# KiCad board M17_3310.kicad_pcb
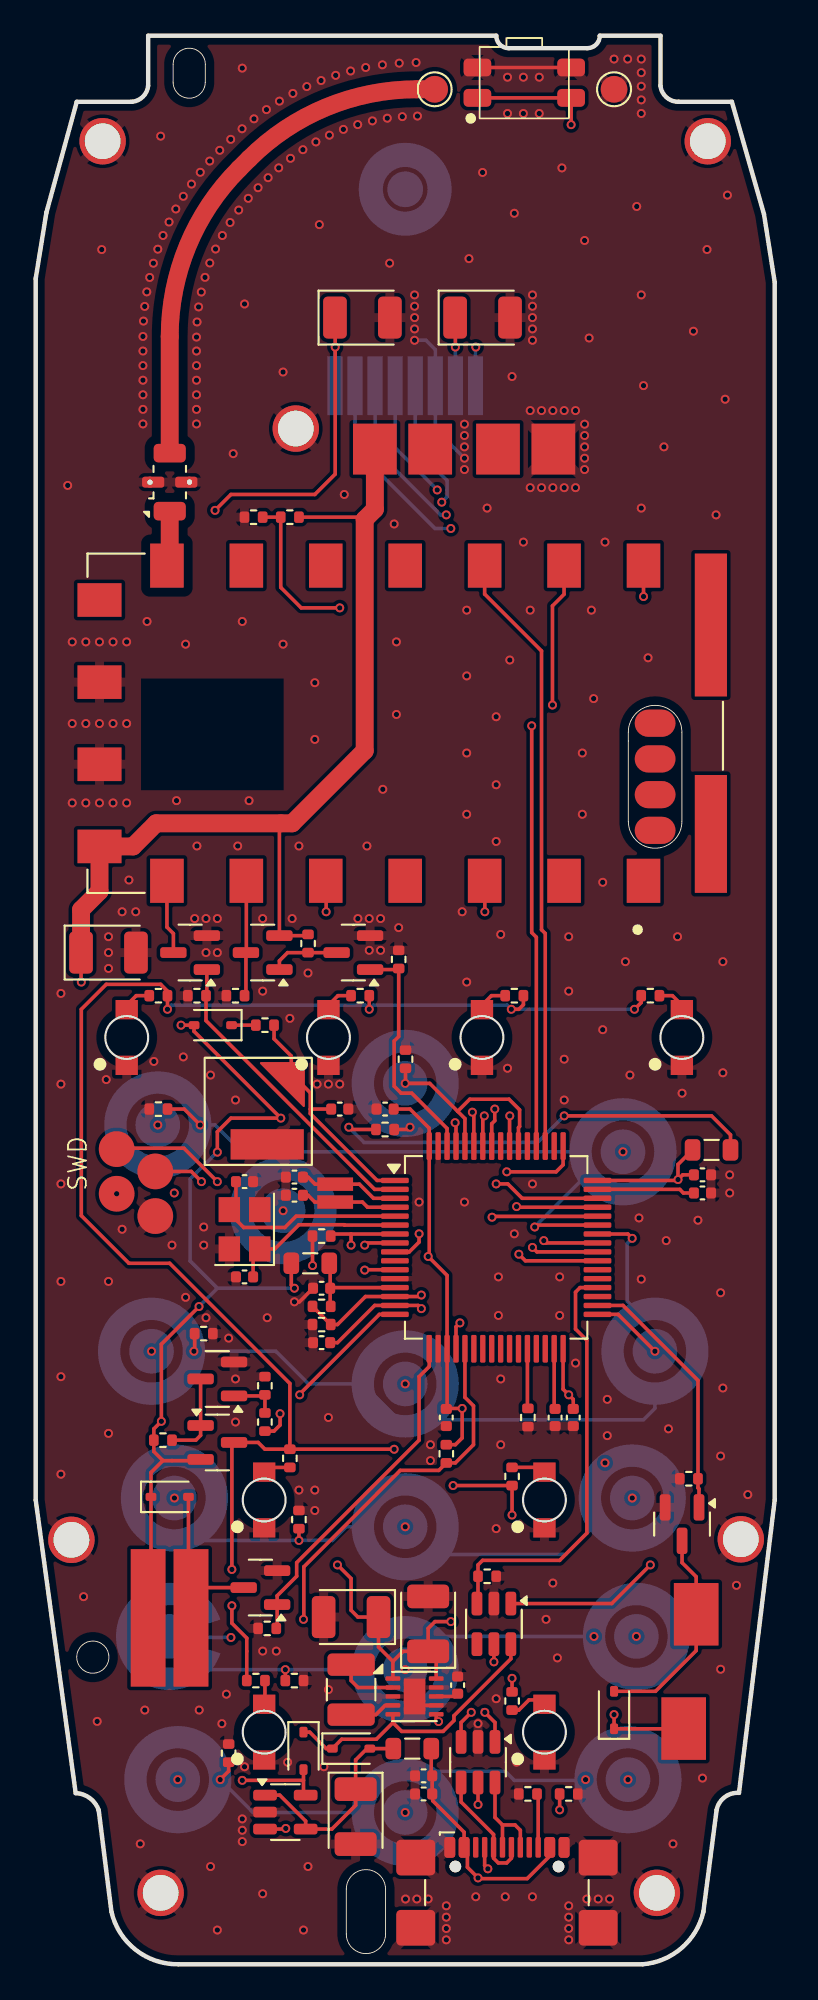
[diagram p0: board, top side]
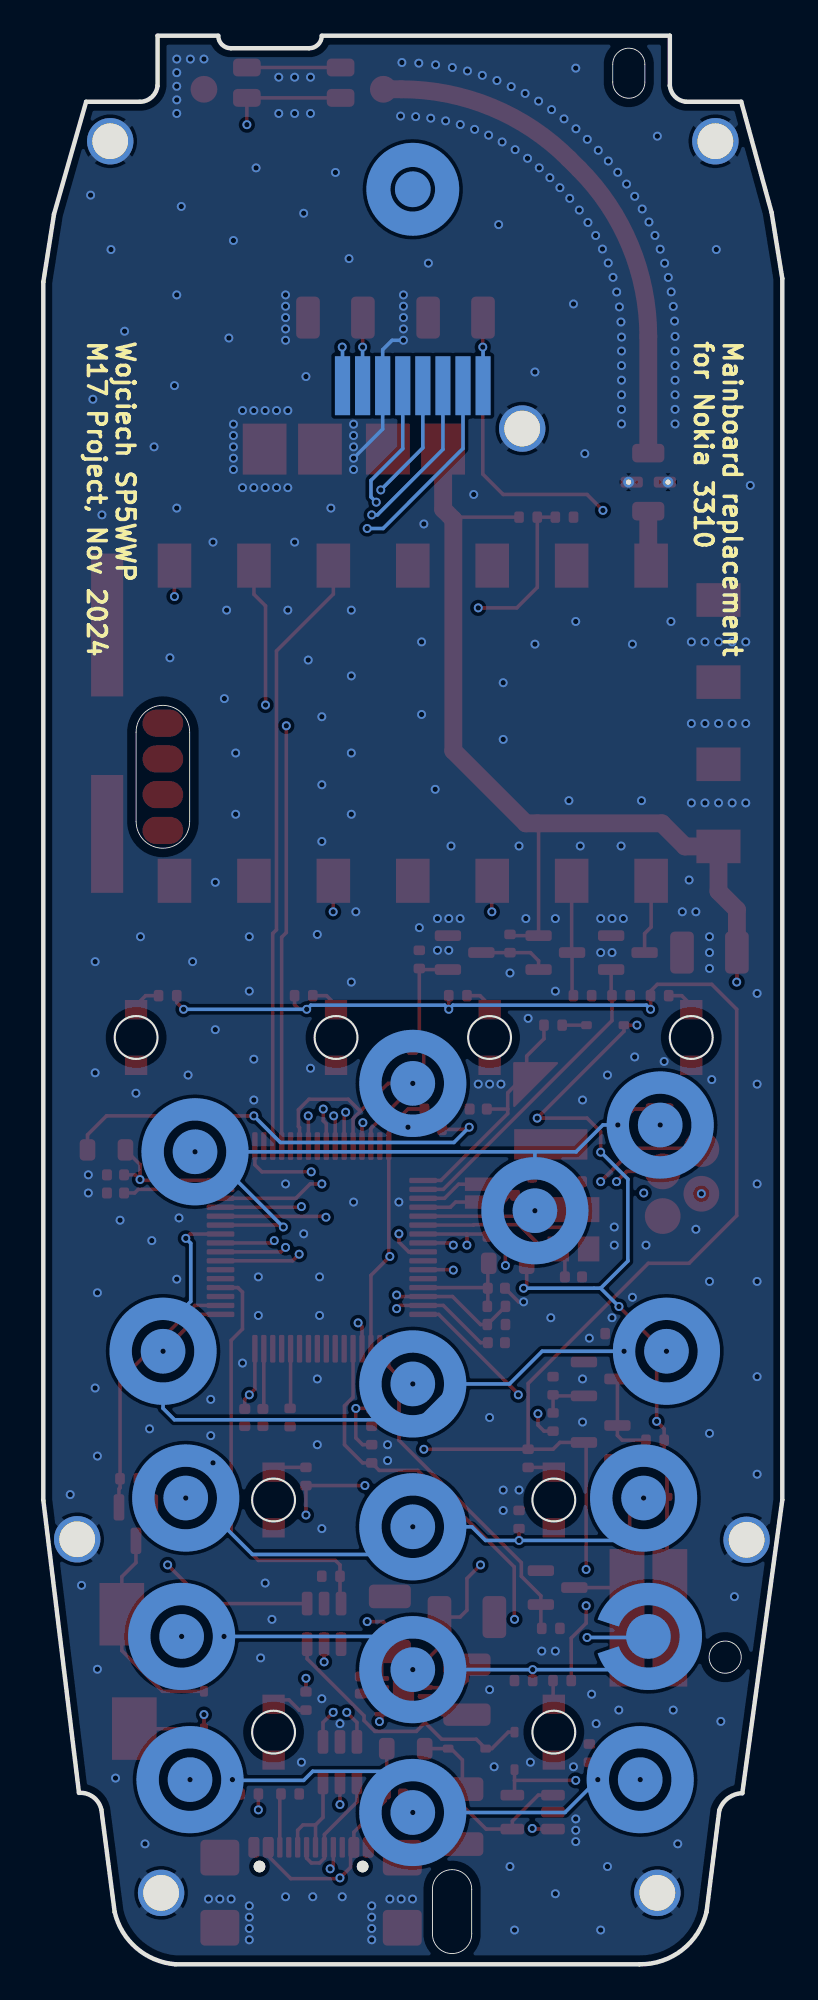
[diagram p1: board, bottom side, seen from below]

Outline 41.4 x 108 mm; copper layers: Top, In1.Cu, In2.Cu, Bottom. Coordinates in mm from the lower left corner of the outline.
Outline path: circle c3.2,17.2 r0.9 ; 0,94.4 0.6,98.1 2.3,104.3 5.4,104.3 arc(6.01,104.59) 6.3,105.2 6.3,108 25.8,108 arc(26.01,107.51) 26.5,107.3 30.9,107.3 arc(31.39,107.51) 31.6,108 35,108 35,105.2 arc(35.33,104.56) 36,104.3 39,104.3 40.8,98 41.4,94.2 41.4,26 39.4,9.6 arc(38.59,9.36) 38.15,8.65 37.4,2.93 arc(36.18,0.91) 34,0 8,0 arc(5.6,0.81) 4.24,2.94 3.53,8.62 arc(3.04,9.31) 2.24,9.58 0,26 0,94.4 ; 7.7,106.4 7.7,105.4 arc(8.6,104.5) 9.5,105.4 9.5,106.4 arc(8.6,107.3) 7.7,106.4 ; 17.4,4.2 17.4,1.7 arc(18.5,0.6) 19.6,1.7 19.6,4.2 arc(18.5,5.3) 17.4,4.2 ; 33.2,69 arc(34.7,70.5) 36.2,69 36.2,64 arc(34.7,62.5) 33.2,64 33.2,69
Stack: Top 0.035mm / dielectric 0.196mm FR4 er 4.5 / In1.Cu 0.035mm / dielectric 0.43mm FR4 er 4.5 / In2.Cu 0.035mm / dielectric 0.196mm FR4 er 4.5 / Bottom 0.035mm

## Placement (name value [footprint] x y rotation side)
BT1  ML414H-IV01E  [ML414H]  12.97 47.77 0 top
C1  6p8  [C_0402_1005Metric]  11.7 38.49 180 top
C2  6p8  [C_0402_1005Metric]  11.7 43.83 0 top
C3  2u2  [C_0402_1005Metric]  29.1 30.62 90 top
C4  2u2  [C_0402_1005Metric]  37.35 43.19 180 top
C5  100n  [C_0402_1005Metric]  17.03 47.89 180 top
C6  100n  [C_0402_1005Metric]  16.02 37.86 0 top
C7  100n  [C_0402_1005Metric]  23 30.62 270 top
C8  100n  [C_0402_1005Metric]  30.11 30.62 270 top
C9  100n  [C_0402_1005Metric]  37.35 44.21 0 top
C10  100n  [C_0402_1005Metric]  19.57 47.89 180 top
C11  47uF/10V  [CP_EIA-3528-21_Kemet-B]  4.08 56.66 0 top
C12  100n  [C_0402_1005Metric]  16.02 34.81 0 top
C13  100n  [C_0402_1005Metric]  23.64 15.63 270 top
C14  10uF/10V  [CP_EIA-3528-21_Kemet-B]  21.99 19.06 90 top
C15  10uF/10V  [CP_EIA-3528-21_Kemet-B]  17.67 19.44 180 top
C16  10uF/10V  [CP_EIA-3528-21_Kemet-B]  25.03 92.22 0 top
C17  47uF/10V  [CP_EIA-3528-21_Kemet-B]  18.3 92.22 0 top
C18  47uF/10V  [CP_EIA-3528-21_Kemet-B]  17.92 8.27 270 top
C19  100n  [C_0402_1005Metric]  21.73 10.55 180 top
C20  10n  [C_0402_1005Metric]  21.73 9.54 180 top
C21  20p  [C_0402_1005Metric]  14.49 44.08 180 top
C22  20p  [C_0402_1005Metric]  14.49 43.07 0 top
D1  BAT60A  [D_SOD-323]  17.67 12.08 0 top
D2  BAT60A  [D_SOD-323]  15 11.95 270 top
D3  BAT60A  [D_SOD-323]  9.92 52.59 180 top
D4  BAT60A  [D_SOD-323]  7.51 26.17 0 top
D5  RED  [3310_led]  5.1 51.9 90 top
D6  RED  [3310_led]  16.4 51.9 90 top
D7  RED  [3310_led]  25 51.9 90 top
D8  BAT60A  [D_SOD-323]  32.4 14.24 90 top
D9  RED  [3310_led]  36.2 51.9 90 top
D10  RED  [3310_led]  12.8 26 90 top
D11  RED  [3310_led]  28.5 26 90 top
D12  RED  [3310_led]  12.8 13 90 top
D13  RED  [3310_led]  28.5 13 90 top
FB1  Bead  [L_0805_2012Metric]  15.38 39.26 180 top
FB2  Bead  [L_0805_2012Metric]  37.86 45.61 180 top
FB3  Bead  [L_0805_2012Metric]  21.1 12.08 0 top
FL1  LFCN-490+  [Filter_Mini-Circuits_FV1206]  7.51 83 90 top
H1  ~  [2mm_mounting_hole_sig]  7 4 0 top
H2  ~  [2mm_mounting_hole_sig]  34.8 4 0 top
H3  ~  [2mm_mounting_hole_sig]  2 23.77 0 top
H4  ~  [2mm_mounting_hole_sig]  39.5 23.8 0 top
H5  ~  [2mm_mounting_hole_sig]  14.57 86 0 top
H6  ~  [2mm_mounting_hole_sig]  3.75 102.09 0 top
H7  ~  [2mm_mounting_hole_sig]  37.65 102.09 0 top
J1  SWD_DBG  [3310_4_pin]  4.53 45.65 270 top
J2  ANT_A  [TestPoint_Pad_D1.5mm]  22.35 105 0 top
J3  ANT_B  [TestPoint_Pad_D1.5mm]  32.4 105 0 top
J4  Battery  [3310_batt]  24 84.85 0 top
J5  Vibrator  [3310_vibrator]  7.5 19.4 0 top
J6  Buzzer  [3310_buzzer]  36.65 16.4 0 top
J7  Display  [3310_display]  20.7 88.4 180 bottom
J8  USB C  [USB_C_Receptacle_GCT_USB4110]  26.4 2.87 0 top
L1  1u5  [L_1210_3225Metric]  17.67 15.38 90 top
LS1  ~  [3310_speaker]  20.7 99.4 180 bottom
Q1  BSS138  [SOT-23]  8.65 56.66 180 top
Q2  IRLML6401  [SOT-23]  12.72 56.66 180 top
Q3  BSS138  [SOT-23]  17.79 56.66 180 top
Q4  BSS138  [SOT-23]  12.59 21.09 180 top
Q5  BSS138  [SOT-23]  10.18 32.78 180 top
Q6  IRLML6401  [SOT-23]  10.18 29.22 0 top
Q7  BSS138  [SOT-23]  36.21 24.65 270 top
R1  22k  [R_0402_1005Metric]  20.72 50.69 90 top
R2  2k2  [R_0402_1005Metric]  16.02 40.78 0 top
R3  47k  [R_0402_1005Metric]  16.02 36.84 0 top
R4  47k  [R_0402_1005Metric]  16.02 35.83 0 top
R5  10k  [R_0402_1005Metric]  23 28.59 270 top
R6  22k  [R_0402_1005Metric]  27.57 30.62 90 top
R7  100k  [R_0402_1005Metric]  9.03 54.24 0 top
R8  100k  [R_0402_1005Metric]  15.25 57.16 90 top
R9  47k  [R_0402_1005Metric]  11.19 54.24 0 top
R10  100k  [R_0402_1005Metric]  20.34 56.27 270 top
R11  47k  [R_0402_1005Metric]  14.24 81.04 0 top
R12  47k  [R_0402_1005Metric]  12.21 81.04 0 top
R13  100k  [R_0402_1005Metric]  25.29 21.73 180 top
R14  1k  [R_0402_1005Metric]  12.84 52.59 180 top
R15  100k  [R_0402_1005Metric]  12.97 18.81 0 top
R16  56R  [R_0402_1005Metric]  12.84 30.37 90 top
R17  100k  [R_0402_1005Metric]  12.84 32.4 270 top
R18  47k  [R_0402_1005Metric]  7.13 29.35 180 top
R19  56R  [R_0402_1005Metric]  6.87 54.24 180 top
R20  100k  [R_0402_1005Metric]  36.59 27.19 0 top
R21  56R  [R_0402_1005Metric]  18.18 54.24 180 top
R22  56R  [R_0402_1005Metric]  26.81 54.24 180 top
R23  56R  [R_0402_1005Metric]  34.43 54.24 0 top
R24  56R  [R_0402_1005Metric]  14.24 28.33 270 top
R25  56R  [R_0402_1005Metric]  26.69 27.32 90 top
R26  56R  [R_0402_1005Metric]  12.33 15.89 0 top
R27  56R  [R_0402_1005Metric]  26.69 14.75 270 top
R28  1k  [R_0402_1005Metric]  19.57 46.75 180 top
R29  5k1  [R_0402_1005Metric]  29.86 9.54 0 top
R30  5k1  [R_0402_1005Metric]  27.57 9.54 180 top
R31  47k  [R_0402_1005Metric]  6.87 47.89 0 top
R32  47k  [R_0402_1005Metric]  9.41 35.32 180 top
R33  47k  [R_0402_1005Metric]  14.75 24.91 270 top
R34  47k  [R_0402_1005Metric]  14.49 15.89 180 top
R35  47k  [R_0402_1005Metric]  10.81 11.82 270 top
SW1  POWER ON/OFF  [SIDE PUSH 2.2NF 4.7x3.2x1.65mm]  27.37 105.37 180 top
SW2  "OK"  [3310_key]  20.7 49.33 180 bottom
SW3  ~  [3310_key]  32.9 45.5 180 bottom
SW4  ~  [3310_key]  34.69 34.33 270 bottom
SW5  ~  [3310_key]  33.42 26.11 180 bottom
SW6  ~  [3310_key]  33.65 18.36 180 bottom
SW7  ~  [3310_key]  33.18 10.34 180 bottom
SW8  ~  [3310_key]  13.86 42.2 90 bottom
SW9  ~  [3310_key]  20.7 32.5 180 bottom
SW10  ~  [3310_key]  20.7 24.5 180 bottom
SW11  ~  [3310_key]  20.7 16.5 180 bottom
SW12  ~  [3310_key]  20.7 8.5 180 bottom
SW13  ~  [3310_key]  6.84 47 0 bottom
SW14  ~  [3310_key]  6.49 34.33 0 bottom
SW15  ~  [3310_key]  7.77 26.11 270 bottom
SW16  ~  [3310_key_gap]  7.5 18.36 180 bottom
SW17  ~  [3310_key]  7.96 10.34 0 bottom
U1  STM32F405RGTx  [LQFP-64_10x10mm_P0.5mm]  25.8 40.14 0 top
U2  SA868  [SA868-VER1.1]  20.7 69.5 180 top
U3  MAX1555  [TSOT-23-5]  13.99 8.52 0 top
U4  MAX16054  [TSOT-23-6]  25.67 19.06 270 top
U5  TPS63031DSK  [WSON-10-1EP_2.5x2.5mm_P0.5mm_EP1.2x2mm]  21.22 15 0 top
U6  USBLC6-2SC6  [SOT-23-6]  24.78 11.32 270 top
Y1  8MHz  [Crystal_SMD_3225-4Pin_3.2x2.5mm]  11.7 41.16 90 top
Y2  32.768kHz  [xtal_smd_32k]  16.78 43.19 0 top

## Library data of the parts
BT1 = -: Description: Single-cell battery
C1 C2 = -: Description: Unpolarized capacitor; PN: 710-885012005039; MPN: 710-885012005039; ki_fp_filters: C_*
C3 C4 = -: Description: Unpolarized capacitor; PN: 963-LMK105BJ225MV-F; MPN: 963-LMK105BJ225MV-F; ki_fp_filters: C_*
C5-C10 C12 C13 C19 = -: Description: Unpolarized capacitor; MPN: 810-CGA2B3X7R1H104KB; PN: 810-CGA2B3X7R1H104KB; ki_fp_filters: C_*
C11 C17 C18 = -: Description: Polarized capacitor; PN: 74-293D476X9010B2TE3; MPN: 74-293D476X9010B2TE3; ki_fp_filters: CP_*
C14-C16 = -: Description: Polarized capacitor; PN: 581-TAJB106K010SNJ; MPN: 581-TAJB106K010SNJ; ki_fp_filters: CP_*
C20 = -: Description: Unpolarized capacitor; PN: 77-VJ0402Y103KCAAC; MPN: 77-VJ0402Y103KCAAC; ki_fp_filters: C_*
C21 C22 = -: Description: Unpolarized capacitor; PN: 81-GCM1555C1H200GA6D; MPN: 81-GCM1555C1H200GA6D; ki_fp_filters: C_*
D1 D3 D4 D8 = -: Datasheet: https://www.infineon.com/dgdl/Infineon-BAT60ASERIES-DS-v01_01-en.pdf?fileId=db3a304313d846880113def70c9304a9; Description: 10V 3A High Current Recitifier Schottky Diode, SOD-323; PN: 726-BAT60AE6327HTSA1; MPN: 726-BAT60AE6327HTSA1; ki_fp_filters: D*SOD?323*
D2 = -: Datasheet: https://www.infineon.com/dgdl/Infineon-BAT60ASERIES-DS-v01_01-en.pdf?fileId=db3a304313d846880113def70c9304a9; Description: 10V 3A High Current Recitifier Schottky Diode, SOD-323; MPN: 726-BAT60AE6327HTSA1; PN: 726-BAT60AE6327HTSA1; ki_fp_filters: D*SOD?323*
D5-D7 D9-D13 = -: Description: Light emitting diode; MPN: 743-IN-S124ARUR; PN: 743-IN-S124ARUR; ki_fp_filters: LED* LED_SMD:* LED_THT:*
FB1-FB3 = -: Description: Ferrite bead; PN: 810-MPZ2012S102AT000; MPN: 810-MPZ2012S102AT000; ki_fp_filters: Inductor_* L_* *Ferrite*
FL1 = -: Datasheet: https://www.minicircuits.com/pdfs/LFCN-490+.pdf; Description: 490MHz 50 Ohm Passive Low Pass Filter, FV1206; PN: 139-LFCN-490; MPN: 139-LFCN-490; ki_fp_filters: Filter*Mini?Circuits*FV1206*
H1-H7 = -: Description: Mounting Hole with connection; ki_fp_filters: MountingHole*Pad*
J1 J4 = -: Description: Generic connector, single row, 01x04, script generated; ki_fp_filters: Connector*:*_1x??_*
J2 J3 = -: Description: Generic connector, single row, 01x01, script generated; ki_fp_filters: Connector*:*_1x??_*
J5 J6 = -: Description: Generic connector, single row, 01x02, script generated; ki_fp_filters: Connector*:*_1x??_*
J7 = -: Description: Generic connector, single row, 01x08, script generated; ki_fp_filters: Connector*:*_1x??_*
J8 = -: Datasheet: https://www.usb.org/sites/default/files/documents/usb_type-c.zip; Description: USB 2.0-only 16P Type-C Receptacle connector; PN: 640-USB4110-GF-A; MPN: 640-USB4110-GF-A; ki_fp_filters: USB*C*Receptacle*
L1 = -: Description: Inductor; PN: 963-LBC3225T1R5MR; MPN: 963-LBC3225T1R5MR; ki_fp_filters: Choke_* *Coil* Inductor_* L_*
LS1 = -: Description: Speaker
Q1 Q3-Q5 Q7 = -: Datasheet: https://www.onsemi.com/pub/Collateral/BSS138-D.PDF; Description: 50V Vds, 0.22A Id, N-Channel MOSFET, SOT-23; MPN: 771-BSS138P215; PN: 771-BSS138P215; ki_fp_filters: SOT?23*
Q2 Q6 = -: Datasheet: https://www.infineon.com/dgdl/irlml6401pbf.pdf?fileId=5546d462533600a401535668b96d2634; Description: -4.3A Id, -12V Vds, 50mOhm Rds, P-Channel HEXFET Power MOSFET, SOT-23; MPN: 942-IRLML6401TRPBF; PN: 942-IRLML6401TRPBF; ki_fp_filters: SOT?23*
R1 R6 = -: Description: Resistor; PN: 279-CRGCQ0402J22K; MPN: 279-CRGCQ0402J22K; ki_fp_filters: R_*
R2 = -: Description: Resistor; PN: 279-CRGCQ0402J2K2; MPN: 279-CRGCQ0402J2K2; ki_fp_filters: R_*
R3 R4 R9 R11 R12 R18 R31-R35 = -: Description: Resistor; PN: 652-CR0402JW-473GLF; MPN: 652-CR0402JW-473GLF; ki_fp_filters: R_*
R5 = -: Description: Resistor; PN: 603-RC0402JR-7D10KL; MPN: 603-RC0402JR-7D10KL; ki_fp_filters: R_*
R7 R8 R10 R13 R15 R17 R20 = -: Description: Resistor; PN: 603-RC0402JR-13100KL; MPN: 603-RC0402JR-13100KL; ki_fp_filters: R_*
R14 R28 = -: Description: Resistor; PN: 603-AF0402JR-071KL; MPN: 603-AF0402JR-071KL; ki_fp_filters: R_*
R16 R19 R21-R27 = -: Description: Resistor; PN: 667-ERJ-2GEJ560X; MPN: 667-ERJ-2GEJ560X; ki_fp_filters: R_*
R29 R30 = -: Description: Resistor; PN: 660-RK73B1ETTP512J; MPN: 660-RK73B1ETTP512J; ki_fp_filters: R_*
SW1 = -: PN: 667-EVQ-PUA02K; MPN: 667-EVQ-PUA02K; ki_fp_filters: SW*MEC*5G*
SW2-SW17 = -: Description: Push button switch, normally open, two pins, 45° tilted
U1 = -: Datasheet: https://www.st.com/resource/en/datasheet/stm32f405rg.pdf; Description: STMicroelectronics Arm Cortex-M4 MCU, 1024KB flash, 192KB RAM, 168 MHz, 1.8-3.6V, 51 GPIO, LQFP64; MPN: 511-STM32F405RGT6; PN: 511-STM32F405RGT6; ki_fp_filters: LQFP*10x10mm*P0.5mm*
U2 = -: Datasheet: https://site-file.fomillesite.com/1260815565112336386/1564067688514740225.pdf; PN: SA868S-U; MPN: SA868S-U
U3 = -: PN: 700-MAX1555EZK+T; MPN: 700-MAX1555EZK+T
U4 = -: PN: 700-MAX16054AZTT; MPN: 700-MAX16054AZTT
U5 = -: Datasheet: http://www.ti.com/lit/ds/symlink/tps63030.pdf; Description: Buck-Boost Converter, 1.8-5.5V Input Voltage, 1A Switch Current, Adjustable Output Voltage, VSON-10 (DSK0010A); MPN: 595-TPS63031DSKR; PN: 595-TPS63031DSKR; ki_fp_filters: WSON*1EP*2.5x2.5mm*P0.5mm*EP1.2x2mm*
U6 = -: Datasheet: https://www.st.com/resource/en/datasheet/usblc6-2.pdf; Description: Very low capacitance ESD protection diode, 2 data-line, SOT-23-6; PN: 511-USBLC6-2SC6; MPN: 511-USBLC6-2SC6; ki_fp_filters: SOT?23*
Y1 = -: Description: Four pin crystal, GND on pins 2 and 4; PN: 520-ECS-80-1033CHNTR; MPN: 520-ECS-80-1033CHNTR; ki_fp_filters: Crystal*
Y2 = -: Description: Two pin crystal; ki_fp_filters: Crystal*

## Footprints (pads in the part's own frame, mm; a bottom-side part is the same pattern mirrored in y, then rotated)
2mm_mounting_hole_sig
  round 2.6 hole 2: 1(0,0)
3310_4_pin
  round 2 smd: 1(0,0) 2(2.5,0) 3(1.25,2.165) 4(3.75,2.165)
3310_batt
  rect 2.45x2.85 smd: 1(-5,0) 2(-1.9,0) 3(1.9,0) 4(5,0)
3310_buzzer
  rect 2.5x3.5 smd: 1(-0.35,-3.2) 2(0.35,3.2)
3310_display
  rect 0.85x3.3 smd: 1(-3.938,0) 2(-2.812,0) 3(-1.688,0) 4(-0.562,0) 5(0.562,0) 6(1.688,0) 7(2.812,0) 8(3.938,0)
3310_key
  round 2.5 smd: 1(0,0)
  custom 6x6 smd: 2(2.375,0)
3310_key_gap
  round 2.5 smd: 1(0,0)
  custom 5.846x6 smd: 2(2.375,0)
3310_led
  rect 1.08x1.25 smd: 1(-1.56,0) 2(1.56,0)
3310_speaker
  round 2 smd: 1(0,0)
  custom 5.2x5.2 smd: 2(2,0)
3310_vibrator
  rect 1.95x7.7 smd: 1(-1.2,0) 2(1.2,0)
C_0402_1005Metric
  rrect 0.56x0.62 smd: 1(-0.48,0) 2(0.48,0)
CP_EIA-3528-21_Kemet-B
  rrect 1.325x2.35 smd: 1(-1.538,0) 2(1.538,0)
Crystal_SMD_3225-4Pin_3.2x2.5mm
  rect 1.4x1.2 smd: 1(-1.1,-0.85) 2(1.1,-0.85) 3(1.1,0.85) 4(-1.1,0.85)
D_SOD-323
  rrect 0.6x0.45 smd: 1(-1.05,0) 2(1.05,0)
Filter_Mini-Circuits_FV1206
  rrect 1.04x1.8 smd: 1(-1.625,0) 3(1.625,0)
  rrect 0.61x1.245 smd: 2(0,-0.927) 4(0,0.927)
  round 0.61 hole 0.3: 2(0,-1.105) 4(0,1.105)
L_0805_2012Metric
  rrect 0.875x1.2 smd: 1(-1.062,0) 2(1.062,0)
L_1210_3225Metric
  rrect 1.25x2.65 smd: 1(-1.4,0) 2(1.4,0)
LQFP-64_10x10mm_P0.5mm
  rrect 1.55x0.3 smd: 1(-5.675,3.75) 2(-5.675,3.25) 3(-5.675,2.75) 4(-5.675,2.25) 5(-5.675,1.75) 6(-5.675,1.25) 7(-5.675,0.75) 8(-5.675,0.25) 9(-5.675,-0.25) 10(-5.675,-0.75) 11(-5.675,-1.25) 12(-5.675,-1.75) 13(-5.675,-2.25) 14(-5.675,-2.75) 15(-5.675,-3.25) 16(-5.675,-3.75) 33(5.675,-3.75) 34(5.675,-3.25) 35(5.675,-2.75) 36(5.675,-2.25) 37(5.675,-1.75) 38(5.675,-1.25) 39(5.675,-0.75) 40(5.675,-0.25) 41(5.675,0.25) 42(5.675,0.75) 43(5.675,1.25) 44(5.675,1.75) 45(5.675,2.25) 46(5.675,2.75) 47(5.675,3.25) 48(5.675,3.75)
  rrect 0.3x1.55 smd: 17(-3.75,-5.675) 18(-3.25,-5.675) 19(-2.75,-5.675) 20(-2.25,-5.675) 21(-1.75,-5.675) 22(-1.25,-5.675) 23(-0.75,-5.675) 24(-0.25,-5.675) 25(0.25,-5.675) 26(0.75,-5.675) 27(1.25,-5.675) 28(1.75,-5.675) 29(2.25,-5.675) 30(2.75,-5.675) 31(3.25,-5.675) 32(3.75,-5.675) 49(3.75,5.675) 50(3.25,5.675) 51(2.75,5.675) 52(2.25,5.675) 53(1.75,5.675) 54(1.25,5.675) 55(0.75,5.675) 56(0.25,5.675) 57(-0.25,5.675) 58(-0.75,5.675) 59(-1.25,5.675) 60(-1.75,5.675) 61(-2.25,5.675) 62(-2.75,5.675) 63(-3.25,5.675) 64(-3.75,5.675)
ML414H
  custom 2.52x2.52 smd: 1(1.35,2.1)
  rect 4.1x1.7 smd: 2(0,-1.85)
R_0402_1005Metric
  rrect 0.54x0.64 smd: 1(-0.51,0) 2(0.51,0)
SA868-VER1.1
  rect 1.88x2.47 smd: 1(-13.35,8.825) 2(-8.9,8.825) 3(-4.45,8.825) 4(0,8.825) 5(4.45,8.825) 6(8.9,8.825) 7(13.35,8.825) 12(13.35,-8.825) 13(8.9,-8.825) 14(4.45,-8.825) 15(0,-8.825) 16(-4.45,-8.825) 17(-8.9,-8.825) 18(-13.35,-8.825)
  rect 2.47x1.88 smd: 8(17.125,6.9) 9(17.125,2.3) 10(17.125,-2.3) 11(17.125,-6.9)
  rrect 2.286x1.524 smd: 19(-14,0) 20(-14,2) 21(-14,4) 22(-14,6)
  rect 1.8x6.6 smd: P2(-17.125,6.2)
  rect 1.8x8 smd: P3(-17.125,-5.5)